# Altium PCB Board.PcbDoc (part 1 of 8) (continued)
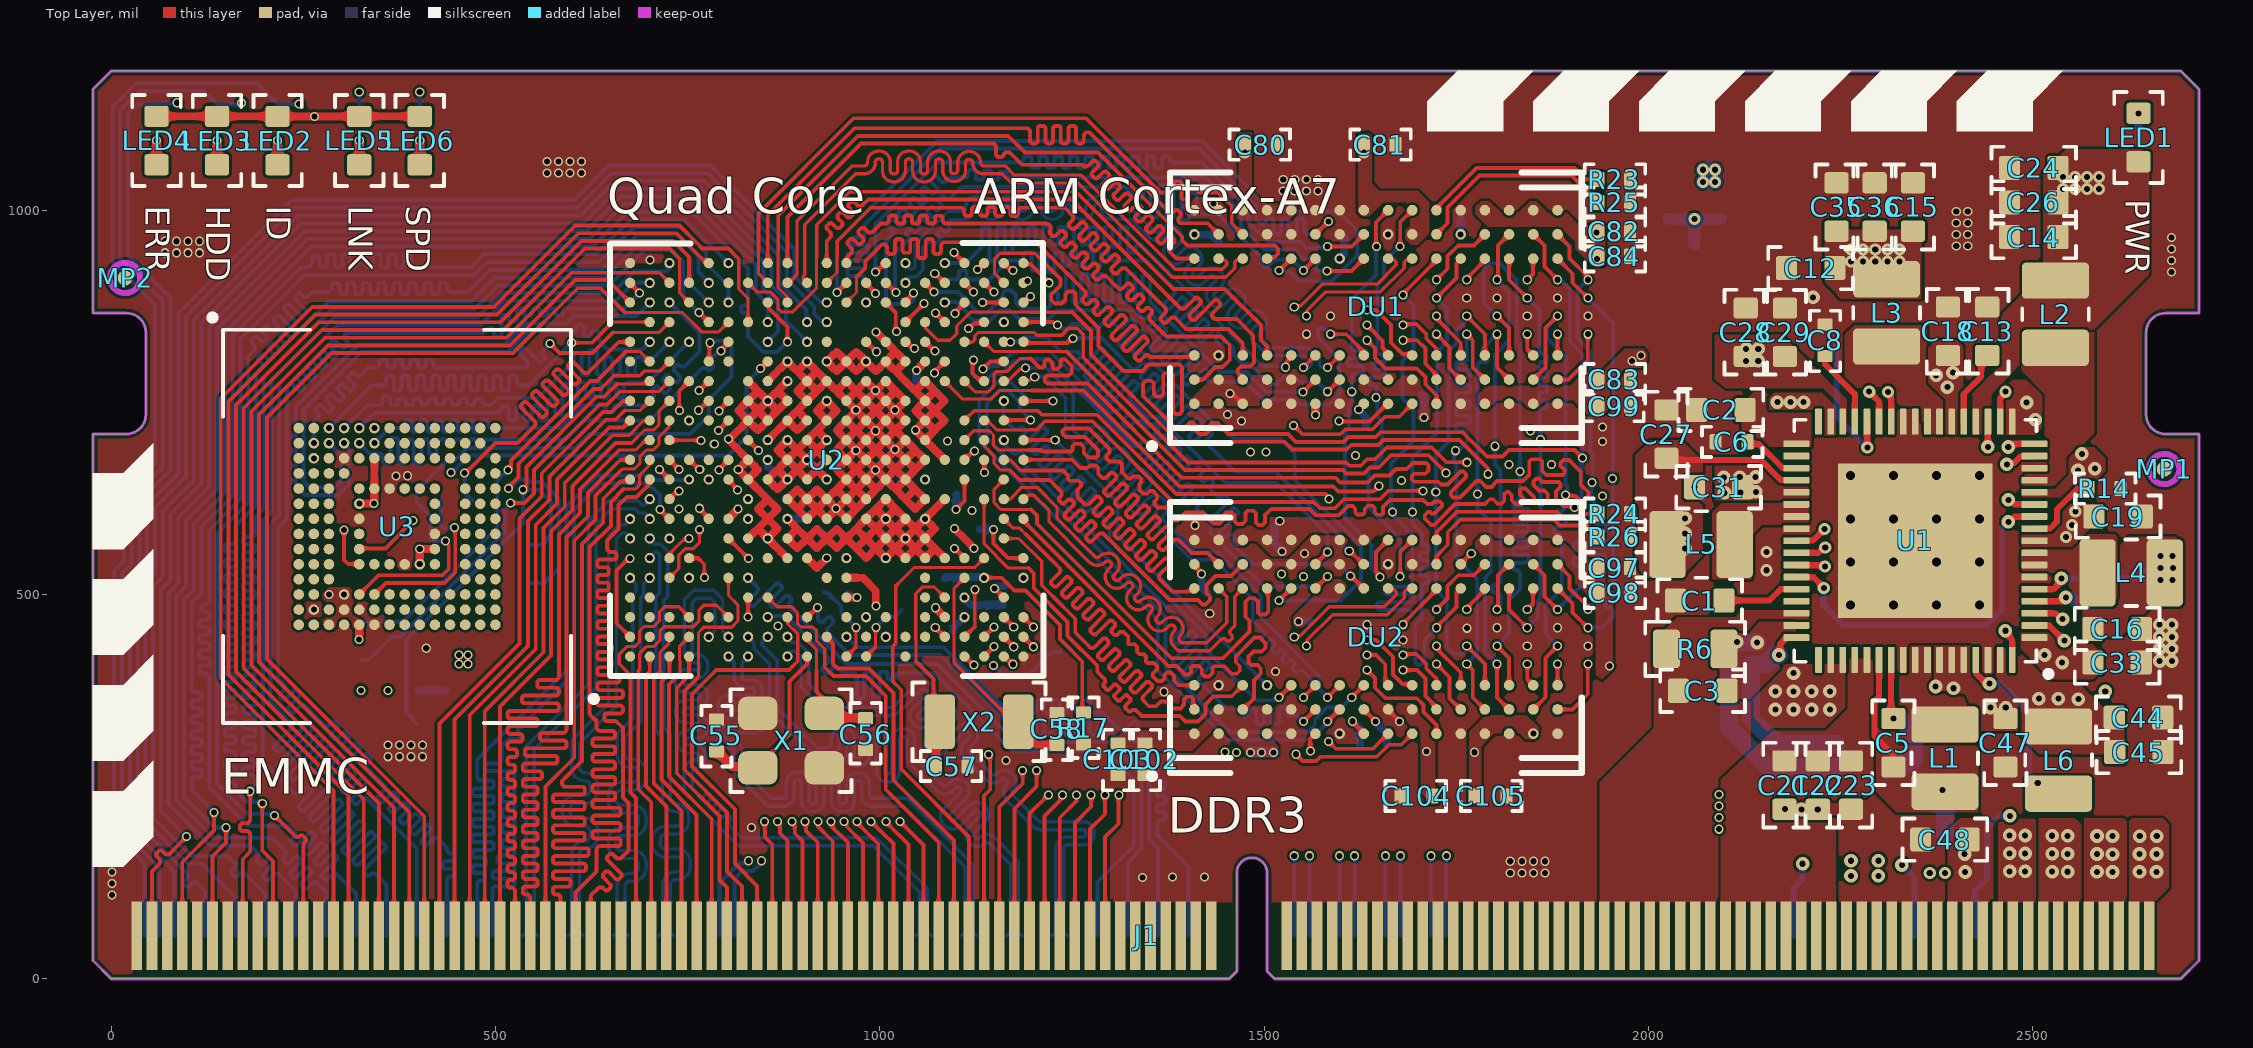
[diagram p0: Top Layer view]
## Components (designator, comment, footprint, x,y, rotation, side; value= is the part's Value field where it differs from the comment) (continued)
L6 "2.2uH" L2520 2533.83,328.29 r270 top
LED1 "LED_RED" LED0603_RED 2637.8,1062.99 r90 top
LED2 "LED_YELLOW" LED0603_YELLOW 216.54,1122.05 r270 top
LED3 "LED_GREEN" LED0603_GREEN 137.8,1122.05 r270 top
LED4 "LED_RED" LED0603_RED 59.05,1122.05 r270 top
LED5 "LED_GREEN" LED0603_GREEN 322.83,1122.05 r270 top
LED6 "LED_YELLOW" LED0603_YELLOW 401.57,1122.05 r270 top
MP1 "Markpoint" MARKPOINT 2671.27,663.15 r90 top
MP2 "Markpoint" MARKPOINT 18.13,911.81 r90 top
MP3 "Markpoint" MARKPOINT 2670.86,662.84 r90 bottom
MP4 "Markpoint" MARKPOINT 93.24,1003.35 r90 bottom
Q1 "WPM1481" WPM1481 2314.96,253.94 r90 bottom
R1 "330R" R0402 2637.8,1106.3 r270 bottom
R2 "10K 1%" R0402 2245,866.34 r270 bottom
R3 "330R" R0402 216.53,1096.46 r90 bottom
R4 "330R" R0402 137.79,1096.46 r90 bottom
R5 "2.2K" R0402 927.55,502.38 r90 bottom
R6 "10mR" R0805 2098.43,429.14 r180 top
R7 "2.2K" R0402 1023.29,478.5 r90 bottom
R8 "330R" R0402 59.05,1096.46 r90 bottom
R9 "51K" R0402 1235,425 r90 bottom
R10 "330R" R0402 322.83,1131.89 r270 bottom
R11 "10mR" R0805 2382.76,193.16 r180 bottom
R12 "330R" R0402 401.57,1131.89 r270 bottom
R13 "2R 1%" R0402 889.11,641.29 r225 bottom
R14 "0R" R0402 2614.17,637.8 r180 top
R15 "47K" R0402 1130,585 r180 bottom
R16 "100K 1%" R0402 1192.18,522.75 r0 bottom
R17 "220K 1%" R0402 1265,346.34 r270 top
R18 "10K 1%" R0402 400,375 r270 bottom
R19 "33R" R0402 470.47,622.05 r180 bottom
R20 "10K 1%" R0402 397.64,622.05 r180 bottom
R21 "0R" R0402 325,375 r270 bottom
R22 "0R" R0402 360,375 r270 bottom
R23 "240R 1%" R0402 1976.34,1040 r180 top
R24 "240R 1%" R0402 1976.34,605 r180 top
R25 "240R 1%" R0402 1976.34,1010 r180 top
R26 "240R 1%" R0402 1976.34,575 r180 top
R27 "240R 1%" R0402 1100.71,671.85 r270 bottom
R28 "2K 1%" R0402 2060,988.66 r90 bottom
R29 "2K 1%" R0402 2025,1030 r270 bottom
R30 "100R" R0402 1511.96,684.28 r180 bottom
U1 "AXP221S" AXP221S 2347.44,569.88 r180 top
U2 "H3_FBGA347" H3_FBGA327 675.2,419.29 r90 top locked
U3 "EMMC_5_0_BGA153" EMMC_BGA153 372.05,588.58 r0 top locked
U4 "W25Q64JVSSIQ" W25Q64JVSSIQ 546.97,565 r180 bottom locked
X1 "24MHz" SMD3225 927.99,345.26 r180 top
X2 "32.768 KHz" FC_135 1180.39,334.42 r180 top

## Footprints (in the part's own frame and the unit in brackets; to place one, negate y for a bottom-side part, rotate by r counter-clockwise, add the part's x,y. Pads: shape width x height; smd on the part's side, far side on the other; paste and mask are expansions set on the pad)
AXP221S [mm]
  rrect25% 0.86x0.22 smd: 1(-3.935,3.2) 2(-3.935,2.8) 3(-3.935,2.4) 4(-3.935,2) 5(-3.935,1.6) 6(-3.935,1.2) 7(-3.935,0.8) 8(-3.935,0.4) 9(-3.935,0) 10(-3.935,-0.4) 11(-3.935,-0.8) 12(-3.935,-1.2) 13(-3.935,-1.6) 14(-3.935,-2) 15(-3.935,-2.4) 16(-3.935,-2.8) 17(-3.935,-3.2) 35(3.935,-3.2) 36(3.935,-2.8) 37(3.935,-2.4) 38(3.935,-2) 39(3.935,-1.6) 40(3.935,-1.2) 41(3.935,-0.8) 42(3.935,-0.4) 43(3.935,0) 44(3.935,0.4) 45(3.935,0.8) 46(3.935,1.2) 47(3.935,1.6) 48(3.935,2) 49(3.935,2.4) 50(3.935,2.8) 51(3.935,3.2)
  rrect25% 0.22x0.86 smd: 18(-3.2,-3.935) 19(-2.8,-3.935) 20(-2.4,-3.935) 21(-2,-3.935) 22(-1.6,-3.935) 23(-1.2,-3.935) 24(-0.8,-3.935) 25(-0.4,-3.935) 26(0,-3.935) 27(0.4,-3.935) 28(0.8,-3.935) 29(1.2,-3.935) 30(1.6,-3.935) 31(2,-3.935) 32(2.4,-3.935) 33(2.8,-3.935) 34(3.2,-3.935) 52(3.2,3.935) 53(2.8,3.935) 54(2.4,3.935) 55(2,3.935) 56(1.6,3.935) 57(1.2,3.935) 58(0.8,3.935) 59(0.4,3.935) 60(0,3.935) 61(-0.4,3.935) 62(-0.8,3.935) 63(-1.2,3.935) 64(-1.6,3.935) 65(-2,3.935) 66(-2.4,3.935) 67(-2.8,3.935) 68(-3.2,3.935)
  rect 5.1x5.1 smd paste-4: 69(0,0)
  silkscreen extent -4.5,-4 4,4.5, body extent -4,-4 4,4, height 0.88
C0402 [mm]
  rrect25% 0.4x0.5 smd: 1(0,0) 2(1.05,0)
  silkscreen extent -0.5,-0.5 1.5,0.5, body extent 0.03,-0.26 1.03,0.26, height 0.53
C0603 [mm]
  rrect25% 0.7x0.8 smd: 1(0,0) 2(1.6,0)
  silkscreen extent -0.6,-0.7 2.2,0.7, body extent 0,-0.41 1.6,0.41, height 0.81
DDR3_FBGA96 [mm]
  round 0.35 smd mask+0.05: A1(0,0) A2(0.8,0) A3(1.6,0) A7(4.8,0) A8(5.6,0) A9(6.4,0) B1(0,-0.8) B2(0.8,-0.8) B3(1.6,-0.8) B7(4.8,-0.8) B8(5.6,-0.8) B9(6.4,-0.8) C1(0,-1.6) C2(0.8,-1.6) C3(1.6,-1.6) C7(4.8,-1.6) C8(5.6,-1.6) C9(6.4,-1.6) D1(0,-2.4) D2(0.8,-2.4) D3(1.6,-2.4) D7(4.8,-2.4) D8(5.6,-2.4) D9(6.4,-2.4) E1(0,-3.2) E2(0.8,-3.2) E3(1.6,-3.2) E7(4.8,-3.2) E8(5.6,-3.2) E9(6.4,-3.2) F1(0,-4) F2(0.8,-4) F3(1.6,-4) F7(4.8,-4) F8(5.6,-4) F9(6.4,-4) G1(0,-4.8) G2(0.8,-4.8) G3(1.6,-4.8) G7(4.8,-4.8) G8(5.6,-4.8) G9(6.4,-4.8) H1(0,-5.6) H2(0.8,-5.6) H3(1.6,-5.6) H7(4.8,-5.6) H8(5.6,-5.6) H9(6.4,-5.6) J1(0,-6.4) J2(0.8,-6.4) J3(1.6,-6.4) J7(4.8,-6.4) J8(5.6,-6.4) J9(6.4,-6.4) K1(0,-7.2) K2(0.8,-7.2) K3(1.6,-7.2) K7(4.8,-7.2) K8(5.6,-7.2) K9(6.4,-7.2) L1(0,-8) L2(0.8,-8) L3(1.6,-8) L7(4.8,-8) L8(5.6,-8) L9(6.4,-8) M1(0,-8.8) M2(0.8,-8.8) M3(1.6,-8.8) M7(4.8,-8.8) M8(5.6,-8.8) M9(6.4,-8.8) N1(0,-9.6) N2(0.8,-9.6) N3(1.6,-9.6) N7(4.8,-9.6) N8(5.6,-9.6) N9(6.4,-9.6) P1(0,-10.4) P2(0.8,-10.4) P3(1.6,-10.4) P7(4.8,-10.4) P8(5.6,-10.4) P9(6.4,-10.4) R1(0,-11.2) R2(0.8,-11.2) R3(1.6,-11.2) R7(4.8,-11.2) R8(5.6,-11.2) R9(6.4,-11.2) T1(0,-12) T2(0.8,-12) T3(1.6,-12) T7(4.8,-12) T8(5.6,-12) T9(6.4,-12)
  silkscreen extent -1.5,-12.8 7.65,1.5, body extent -1.3,-13 7.7,1, height 0.86
DDR4_SODIMM [mm]
  rect 0.35x2.25 smd paste-0.75 mask+0.3: 1(0.474,1.422) 3(0.974,1.422) 5(1.474,1.422) 7(1.974,1.422) 9(2.474,1.422) 11(2.974,1.422) 13(3.474,1.422) 15(3.974,1.422) 17(4.474,1.422) 19(4.974,1.422) 21(5.474,1.422) 23(5.974,1.422) 25(6.474,1.422) 27(6.974,1.422) 29(7.474,1.422) 31(7.974,1.422) 33(8.474,1.422) 35(8.974,1.422) 37(9.474,1.422) 39(9.974,1.422) 41(10.474,1.422) 43(10.974,1.422) 45(11.474,1.422) 47(11.974,1.422) 49(12.474,1.422) 51(12.974,1.422) 53(13.474,1.422) 55(13.974,1.422) 57(14.474,1.422) 59(14.974,1.422) 61(15.474,1.422) 63(15.974,1.422) 65(16.474,1.422) 67(16.974,1.422) 69(17.474,1.422) 71(17.974,1.422) 73(18.474,1.422) 75(18.974,1.422) 77(19.474,1.422) 79(19.974,1.422) 81(20.474,1.422) 83(20.974,1.422) 85(21.474,1.422) 87(21.974,1.422) 89(22.474,1.422) 91(22.974,1.422) 93(23.474,1.422) 95(23.974,1.422) 97(24.474,1.422) 99(24.974,1.422) 101(25.474,1.422) 103(25.974,1.422) 105(26.474,1.422) 107(26.974,1.422) 109(27.474,1.422) 111(27.974,1.422) 113(28.474,1.422) 115(28.974,1.422) 117(29.474,1.422) 119(29.974,1.422) 121(30.474,1.422) 123(30.974,1.422) 125(31.474,1.422) 127(31.974,1.422) 129(32.474,1.422) 131(32.974,1.422) 133(33.474,1.422) 135(33.974,1.422) 137(34.474,1.422) 139(34.974,1.422) 141(35.474,1.422) 143(35.974,1.422) 145(38.474,1.422) 147(38.974,1.422) 149(39.474,1.422) 151(39.974,1.422) 153(40.474,1.422) 155(40.974,1.422) 157(41.474,1.422) 159(41.974,1.422) 161(42.474,1.422) 163(42.974,1.422) 165(43.474,1.422) 167(43.974,1.422) 169(44.474,1.422) 171(44.974,1.422) 173(45.474,1.422) 175(45.974,1.422) 177(46.474,1.422) 179(46.974,1.422) 181(47.474,1.422) 183(47.974,1.422) 185(48.474,1.422) 187(48.974,1.422) 189(49.474,1.422) 191(49.974,1.422) 193(50.474,1.422) 195(50.974,1.422) 197(51.474,1.422) 199(51.974,1.422) 201(52.474,1.422) 203(52.974,1.422) 205(53.474,1.422) 207(53.974,1.422) 209(54.474,1.422) 211(54.974,1.422) 213(55.474,1.422) 215(55.974,1.422) 217(56.474,1.422) 219(56.974,1.422) 221(57.474,1.422) 223(57.974,1.422) 225(58.474,1.422) 227(58.974,1.422) 229(59.474,1.422) 231(59.974,1.422) 233(60.474,1.422) 235(60.974,1.422) 237(61.474,1.422) 239(61.974,1.422) 241(62.474,1.422) 243(62.974,1.422) 245(63.474,1.422) 247(63.974,1.422) 249(64.474,1.422) 251(64.974,1.422) 253(65.474,1.422) 255(65.974,1.422) 257(66.474,1.422) 259(66.974,1.422)
  rect 0.35x2.25 smd far side paste-0.75 mask+0.3: 2(0.724,1.422) 4(1.224,1.422) 6(1.724,1.422) 8(2.224,1.422) 10(2.724,1.422) 12(3.224,1.422) 14(3.724,1.422) 16(4.224,1.422) 18(4.724,1.422) 20(5.224,1.422) 22(5.724,1.422) 24(6.224,1.422) 26(6.724,1.422) 28(7.224,1.422) 30(7.724,1.422) 32(8.224,1.422) 34(8.724,1.422) 36(9.224,1.422) 38(9.724,1.422) 40(10.224,1.422) 42(10.724,1.422) 44(11.224,1.422) 46(11.724,1.422) 48(12.224,1.422) 50(12.724,1.422) 52(13.224,1.422) 54(13.724,1.422) 56(14.224,1.422) 58(14.724,1.422) 60(15.224,1.422) 62(15.724,1.422) 64(16.224,1.422) 66(16.724,1.422) 68(17.224,1.422) 70(17.724,1.422) 72(18.224,1.422) 74(18.724,1.422) 76(19.224,1.422) 78(19.724,1.422) 80(20.224,1.422) 82(20.724,1.422) 84(21.224,1.422) 86(21.724,1.422) 88(22.224,1.422) 90(22.724,1.422) 92(23.224,1.422) 94(23.724,1.422) 96(24.224,1.422) 98(24.724,1.422) 100(25.224,1.422) 102(25.724,1.422) 104(26.224,1.422) 106(26.724,1.422) 108(27.224,1.422) 110(27.724,1.422) 112(28.224,1.422) 114(28.724,1.422) 116(29.224,1.422) 118(29.724,1.422) 120(30.224,1.422) 122(30.724,1.422) 124(31.224,1.422) 126(31.724,1.422) 128(32.224,1.422) 130(32.724,1.422) 132(33.224,1.422) 134(33.724,1.422) 136(34.224,1.422) 138(34.724,1.422) 140(35.224,1.422) 142(35.724,1.422) 144(36.224,1.422) 146(38.724,1.422) 148(39.224,1.422) 150(39.724,1.422) 152(40.224,1.422) 154(40.724,1.422) 156(41.224,1.422) 158(41.724,1.422) 160(42.224,1.422) 162(42.724,1.422) 164(43.224,1.422) 166(43.724,1.422) 168(44.224,1.422) 170(44.724,1.422) 172(45.224,1.422) 174(45.724,1.422) 176(46.224,1.422) 178(46.724,1.422) 180(47.224,1.422) 182(47.724,1.422) 184(48.224,1.422) 186(48.724,1.422) 188(49.224,1.422) 190(49.724,1.422) 192(50.224,1.422) 194(50.724,1.422) 196(51.224,1.422) 198(51.724,1.422) 200(52.224,1.422) 202(52.724,1.422) 204(53.224,1.422) 206(53.724,1.422) 208(54.224,1.422) 210(54.724,1.422) 212(55.224,1.422) 214(55.724,1.422) 216(56.224,1.422) 218(56.724,1.422) 220(57.224,1.422) 222(57.724,1.422) 224(58.224,1.422) 226(58.724,1.422) 228(59.224,1.422) 230(59.724,1.422) 232(60.224,1.422) 234(60.724,1.422) 236(61.224,1.422) 238(61.724,1.422) 240(62.224,1.422) 242(62.724,1.422) 244(63.224,1.422) 246(63.724,1.422) 248(64.224,1.422) 250(64.724,1.422) 252(65.224,1.422) 254(65.724,1.422) 256(66.224,1.422) 258(66.724,1.422) 260(67.224,1.422)
EMMC_BGA153 [mm]
  round 0.35 smd mask+0.025: A1(-3.25,3.25) A2(-2.75,3.25) A3(-2.25,3.25) A4(-1.75,3.25) A5(-1.25,3.25) A6(-0.75,3.25) A7(-0.25,3.25) A8(0.25,3.25) A9(0.75,3.25) A10(1.25,3.25) A11(1.75,3.25) A12(2.25,3.25) A13(2.75,3.25) A14(3.25,3.25) B1(-3.25,2.75) B2(-2.75,2.75) B3(-2.25,2.75) B4(-1.75,2.75) B5(-1.25,2.75) B6(-0.75,2.75) B7(-0.25,2.75) B8(0.25,2.75) B9(0.75,2.75) B10(1.25,2.75) B11(1.75,2.75) B12(2.25,2.75) B13(2.75,2.75) C1(-3.25,2.25) C2(-2.75,2.25) C3(-2.25,2.25) C4(-1.75,2.25) C5(-1.25,2.25) C6(-0.75,2.25) C7(-0.25,2.25) C8(0.25,2.25) C9(0.75,2.25) C10(1.25,2.25) C11(1.75,2.25) C12(2.25,2.25) C14(3.25,2.25) D1(-3.25,1.75) D2(-2.75,1.75) D3(-2.25,1.75) D4(-1.75,1.75) D13(2.75,1.75) D14(3.25,1.75) E1(-3.25,1.25) E2(-2.75,1.25) E3(-2.25,1.25) E5(-1.25,1.25) E6(-0.75,1.25) E7(-0.25,1.25) E8(0.25,1.25) E9(0.75,1.25) E10(1.25,1.25) E12(2.25,1.25) E13(2.75,1.25) E14(3.25,1.25) F1(-3.25,0.75) F2(-2.75,0.75) F3(-2.25,0.75) F5(-1.25,0.75) F10(1.25,0.75) F12(2.25,0.75) F13(2.75,0.75) F14(3.25,0.75) G1(-3.25,0.25) G2(-2.75,0.25) G3(-2.25,0.25) G5(-1.25,0.25) G10(1.25,0.25) G12(2.25,0.25) G13(2.75,0.25) G14(3.25,0.25) H1(-3.25,-0.25) H2(-2.75,-0.25) H3(-2.25,-0.25) H5(-1.25,-0.25) H10(1.25,-0.25) H12(2.25,-0.25) H13(2.75,-0.25) H14(3.25,-0.25) J1(-3.25,-0.75) J2(-2.75,-0.75) J3(-2.25,-0.75) J5(-1.25,-0.75) J10(1.25,-0.75) J12(2.25,-0.75) J13(2.75,-0.75) J14(3.25,-0.75) K1(-3.25,-1.25) K2(-2.75,-1.25) K3(-2.25,-1.25) K5(-1.25,-1.25) K6(-0.75,-1.25) K7(-0.25,-1.25) K8(0.25,-1.25) K9(0.75,-1.25) K10(1.25,-1.25) K12(2.25,-1.25) K13(2.75,-1.25) K14(3.25,-1.25) L1(-3.25,-1.75) L2(-2.75,-1.75) L3(-2.25,-1.75) L12(2.25,-1.75) L13(2.75,-1.75) L14(3.25,-1.75) M1(-3.25,-2.25) M2(-2.75,-2.25) M4(-1.75,-2.25) M5(-1.25,-2.25) M6(-0.75,-2.25) M7(-0.25,-2.25) M8(0.25,-2.25) M9(0.75,-2.25) M10(1.25,-2.25) M11(1.75,-2.25) M12(2.25,-2.25) M13(2.75,-2.25) M14(3.25,-2.25) N1(-3.25,-2.75) N2(-2.75,-2.75) N3(-2.25,-2.75) N4(-1.75,-2.75) N5(-1.25,-2.75) N6(-0.75,-2.75) N7(-0.25,-2.75) N8(0.25,-2.75) N9(0.75,-2.75) N10(1.25,-2.75) N11(1.75,-2.75) N12(2.25,-2.75) N13(2.75,-2.75) N14(3.25,-2.75) P1(-3.25,-3.25) P2(-2.75,-3.25) P3(-2.25,-3.25) P4(-1.75,-3.25) P5(-1.25,-3.25) P6(-0.75,-3.25) P7(-0.25,-3.25) P8(0.25,-3.25) P9(0.75,-3.25) P10(1.25,-3.25) P11(1.75,-3.25) P12(2.25,-3.25) P13(2.75,-3.25) P14(3.25,-3.25)
  round 0.35 on Mech16 mask+0.025: B14(3.25,2.75) C13(2.75,2.25) D12(2.25,1.75) M3(-2.25,-2.25)
  silkscreen extent -6.2,-6.5 5.75,7, body extent -5.75,-6.5 5.75,6.5, height 1
FC_135 [mm]
  rrect25% 1x1.8 smd: 1(0,0) 2(2.6,0)
  silkscreen extent -0.9,-1.3 3.5,1.3, body extent -0.3,-0.75 2.9,0.75, height 0.61
H3_FBGA327 [mm]
  round 0.34 smd mask+0.05: A1(0,0) A2(0.65,0) A3(1.3,0) A4(1.95,0) A5(2.6,0) A7(3.9,0) A8(4.55,0) A10(5.85,0) A11(6.5,0) A13(7.8,0) A14(8.45,0) A16(9.75,0) A17(10.4,0) A19(11.7,0) A20(12.35,0) A21(13,0) AA1(0,-13) AA2(0.65,-13) AA3(1.3,-13) AA5(2.6,-13) AA6(3.25,-13) AA8(4.55,-13) AA9(5.2,-13) AA11(6.5,-13) AA12(7.15,-13) AA14(8.45,-13) AA15(9.1,-13) AA17(10.4,-13) AA18(11.05,-13) AA19(11.7,-13) AA20(12.35,-13) AA21(13,-13) B1(0,-0.65) B2(0.65,-0.65) B3(1.3,-0.65) B4(1.95,-0.65) B5(2.6,-0.65) B6(3.25,-0.65) B7(3.9,-0.65) B8(4.55,-0.65) B9(5.2,-0.65) B10(5.85,-0.65) B11(6.5,-0.65) B12(7.15,-0.65) B13(7.8,-0.65) B14(8.45,-0.65) B15(9.1,-0.65) B16(9.75,-0.65) B17(10.4,-0.65) B18(11.05,-0.65) B19(11.7,-0.65) B20(12.35,-0.65) C1(0,-1.3) C2(0.65,-1.3) C3(1.3,-1.3) C5(2.6,-1.3) C6(3.25,-1.3) C7(3.9,-1.3) C8(4.55,-1.3) C9(5.2,-1.3) C10(5.85,-1.3) C11(6.5,-1.3) C12(7.15,-1.3) C13(7.8,-1.3) C14(8.45,-1.3) C15(9.1,-1.3) C16(9.75,-1.3) C17(10.4,-1.3) C18(11.05,-1.3) C19(11.7,-1.3) C20(12.35,-1.3) C21(13,-1.3) D1(0,-1.95) D2(0.65,-1.95) D3(1.3,-1.95) D5(2.6,-1.95) D6(3.25,-1.95) D8(4.55,-1.95) D10(5.85,-1.95) D11(6.5,-1.95) D13(7.8,-1.95) D15(9.1,-1.95) D17(10.4,-1.95) D19(11.7,-1.95) D20(12.35,-1.95) E2(0.65,-2.6) E3(1.3,-2.6) E8(4.55,-2.6) E10(5.85,-2.6) E11(6.5,-2.6) E13(7.8,-2.6) E14(8.45,-2.6) E15(9.1,-2.6) E16(9.75,-2.6) E18(11.05,-2.6) E19(11.7,-2.6) E20(12.35,-2.6) E21(13,-2.6) F1(0,-3.25) F2(0.65,-3.25) F3(1.3,-3.25) F5(2.6,-3.25) F6(3.25,-3.25) F7(3.9,-3.25) F8(4.55,-3.25) F10(5.85,-3.25) F11(6.5,-3.25) F13(7.8,-3.25) F14(8.45,-3.25) F16(9.75,-3.25) F17(10.4,-3.25) F18(11.05,-3.25) F19(11.7,-3.25) F20(12.35,-3.25) F21(13,-3.25) G1(0,-3.9) G2(0.65,-3.9) G4(1.95,-3.9) G5(2.6,-3.9) G7(3.9,-3.9) G8(4.55,-3.9) G9(5.2,-3.9) G10(5.85,-3.9) G11(6.5,-3.9) G12(7.15,-3.9) G13(7.8,-3.9) G14(8.45,-3.9) G15(9.1,-3.9) G18(11.05,-3.9) G20(12.35,-3.9) H2(0.65,-4.55) H3(1.3,-4.55) H4(1.95,-4.55) H6(3.25,-4.55) H7(3.9,-4.55) H10(5.85,-4.55) H11(6.5,-4.55) H12(7.15,-4.55) H13(7.8,-4.55) H14(8.45,-4.55) H15(9.1,-4.55) H16(9.75,-4.55) H17(10.4,-4.55) H18(11.05,-4.55) H19(11.7,-4.55) H20(12.35,-4.55) H21(13,-4.55) J1(0,-5.2) J2(0.65,-5.2) J3(1.3,-5.2) J6(3.25,-5.2) J7(3.9,-5.2) J8(4.55,-5.2) J9(5.2,-5.2) J10(5.85,-5.2) J11(6.5,-5.2) J12(7.15,-5.2) J13(7.8,-5.2) J14(8.45,-5.2) J15(9.1,-5.2) J16(9.75,-5.2) J19(11.7,-5.2) J20(12.35,-5.2) J21(13,-5.2) K1(0,-5.85) K2(0.65,-5.85) K3(1.3,-5.85) K4(1.95,-5.85) K6(3.25,-5.85) K8(4.55,-5.85) K9(5.2,-5.85) K10(5.85,-5.85) K11(6.5,-5.85) K12(7.15,-5.85) K13(7.8,-5.85) K14(8.45,-5.85) K15(9.1,-5.85) K16(9.75,-5.85) K17(10.4,-5.85) K18(11.05,-5.85) K20(12.35,-5.85) L2(0.65,-6.5) L5(2.6,-6.5) L8(4.55,-6.5) L9(5.2,-6.5) L10(5.85,-6.5) L11(6.5,-6.5) L12(7.15,-6.5) L13(7.8,-6.5) L14(8.45,-6.5) L15(9.1,-6.5) L16(9.75,-6.5) L17(10.4,-6.5) L18(11.05,-6.5) L19(11.7,-6.5) L20(12.35,-6.5) L21(13,-6.5) M1(0,-7.15) M2(0.65,-7.15) M3(1.3,-7.15) M4(1.95,-7.15) M5(2.6,-7.15) M6(3.25,-7.15) M8(4.55,-7.15) M9(5.2,-7.15) M10(5.85,-7.15) M11(6.5,-7.15) M12(7.15,-7.15) M13(7.8,-7.15) M14(8.45,-7.15) M15(9.1,-7.15) M16(9.75,-7.15) M19(11.7,-7.15) M20(12.35,-7.15) M21(13,-7.15) N1(0,-7.8) N2(0.65,-7.8) N3(1.3,-7.8) N8(4.55,-7.8) N9(5.2,-7.8) N10(5.85,-7.8) N11(6.5,-7.8) N12(7.15,-7.8) N13(7.8,-7.8) N14(8.45,-7.8) N15(9.1,-7.8) N16(9.75,-7.8) N17(10.4,-7.8) N19(11.7,-7.8) N20(12.35,-7.8) P2(0.65,-8.45) P3(1.3,-8.45) P6(3.25,-8.45) P7(3.9,-8.45) P8(4.55,-8.45) P9(5.2,-8.45) P10(5.85,-8.45) P11(6.5,-8.45) P12(7.15,-8.45) P13(7.8,-8.45) P14(8.45,-8.45) P15(9.1,-8.45) P16(9.75,-8.45) P17(10.4,-8.45) P19(11.7,-8.45) P20(12.35,-8.45) P21(13,-8.45) R1(0,-9.1) R2(0.65,-9.1) R6(3.25,-9.1) R7(3.9,-9.1) R8(4.55,-9.1) R10(5.85,-9.1) R11(6.5,-9.1) R12(7.15,-9.1) R13(7.8,-9.1) R14(8.45,-9.1) R16(9.75,-9.1) R17(10.4,-9.1) R18(11.05,-9.1) R19(11.7,-9.1) R20(12.35,-9.1) R21(13,-9.1) T2(0.65,-9.75) T3(1.3,-9.75) T4(1.95,-9.75) T5(2.6,-9.75) T6(3.25,-9.75) T7(3.9,-9.75) T8(4.55,-9.75) T9(5.2,-9.75) T10(5.85,-9.75) T11(6.5,-9.75) T12(7.15,-9.75) T13(7.8,-9.75) T14(8.45,-9.75) T15(9.1,-9.75) T16(9.75,-9.75) T17(10.4,-9.75) T18(11.05,-9.75) T20(12.35,-9.75) U2(0.65,-10.4) U3(1.3,-10.4) U4(1.95,-10.4) U6(3.25,-10.4) U9(5.2,-10.4) U11(6.5,-10.4) U15(9.1,-10.4) U16(9.75,-10.4) U18(11.05,-10.4) U19(11.7,-10.4) U20(12.35,-10.4) U21(13,-10.4) V1(0,-11.05) V2(0.65,-11.05) V3(1.3,-11.05) V4(1.95,-11.05) V5(2.6,-11.05) V6(3.25,-11.05) V10(5.85,-11.05) V11(6.5,-11.05) V12(7.15,-11.05) V13(7.8,-11.05) V15(9.1,-11.05) V17(10.4,-11.05) V19(11.7,-11.05) V20(12.35,-11.05) V21(13,-11.05) W1(0,-11.7) W2(0.65,-11.7) W3(1.3,-11.7) W5(2.6,-11.7) W6(3.25,-11.7) W9(5.2,-11.7) W11(6.5,-11.7) W12(7.15,-11.7) W13(7.8,-11.7) W15(9.1,-11.7) W17(10.4,-11.7) W18(11.05,-11.7) W20(12.35,-11.7) W21(13,-11.7) Y1(0,-12.35) Y2(0.65,-12.35) Y3(1.3,-12.35) Y4(1.95,-12.35) Y7(3.9,-12.35) Y8(4.55,-12.35) Y9(5.2,-12.35) Y10(5.85,-12.35) Y11(6.5,-12.35) Y12(7.15,-12.35) Y13(7.8,-12.35) Y14(8.45,-12.35) Y15(9.1,-12.35) Y16(9.75,-12.35) Y17(10.4,-12.35) Y18(11.05,-12.35) Y19(11.7,-12.35) Y20(12.35,-12.35) Y21(13,-12.35)
  round 0.34 on Mech16 mask+0.05: B21(13,-0.65) H8(4.55,-4.55) K7(3.9,-5.85) M7(3.9,-7.15) N7(3.9,-7.8) R9(5.2,-9.1)
  silkscreen extent -1.5,-13.67 13.67,1.3, body extent -0.5,-13.5 13.5,0.5, height 0.9
L2520 [mm]
  rrect25% 1.2x2.22 smd: 1(0,0) 2(2.22,0)
  silkscreen extent 0.92,-1.1 1.3,1.1, body extent -0.14,-1 2.36,1, height 1
LED0603_GREEN [mm]
  rrect25% 0.7x0.8 smd: 1(0,0) 2(1.6,0)
  silkscreen extent -0.7,-0.8 2.3,0.8, body extent 0.02,-0.38 1.63,0.43, height 0.61
LED0603_RED [mm]
  rrect25% 0.7x0.8 smd: 1(0,0) 2(1.6,0)
  silkscreen extent -0.7,-0.8 2.3,0.8, body extent 0.02,-0.38 1.63,0.43, height 0.61
LED0603_YELLOW [mm]
  rrect25% 0.7x0.8 smd: 1(0,0) 2(1.6,0)
  silkscreen extent -0.7,-0.8 2.3,0.8, body extent 0.02,-0.38 1.62,0.43, height 0.61
MARKPOINT [mm]
  round 0.5 smd: ""(0,0)
  Top Layer keep-out circle w0.2: c0,0 r0.5
R0402 [mm]
  rrect25% 0.4x0.5 smd: 1(0,0) 2(1.05,0)
  silkscreen extent -0.5,-0.5 1.5,0.5, body extent 0,-0.25 1,0.25, height 0.3
R0805 [mil]
  rrect25% 35x50 smd: 1(0,0) 2(74.8,0)
  silkscreen extent -28,-35 102,35, body extent -2,-25 77,25, height 20
SMD3225 [mm]
  rrect50% 1.3x1.1 smd: 1(0,0) 2(2.2,1.8) 3(0,1.8) 3(2.2,0)
  silkscreen extent -0.9,-0.8 3.1,2.6, body extent -0.5,-0.35 2.7,2.15, height 0.7
W25Q64JVSSIQ [mm]
  rrect25% 1x0.58 smd: 1(0,0) 2(0,-1.27) 3(0,-2.54) 4(0,-3.81) 5(5.6,-3.81) 6(5.6,-2.54) 7(5.6,-1.27) 8(5.6,0)
  silkscreen extent -0.6,-4.59 5.79,1.2, body extent -0.2,-4.4 5.8,0.61, height 0.8
WPM1481 [mm]
  rrect25% 0.35x0.6 smd: 1(0,-1.8) 2(0.65,-1.8) 3(1.3,-1.8) 4(1.3,0) 5(0.65,0) 6(0,0)
  rrect25% 0.35x0.56 smd: 7(1.3,-0.9)
  rrect25% 0.9x0.8 smd: 8(0.25,-0.9)
  silkscreen extent -0.82,-1.9 -0.63,-1.7, body extent -0.38,-1.83 1.73,0, height 0.6

## Part data
C1 C2 C3 C5 C25 C35 C36 C40 C41 C59 C63 C66 C79 C80 C91 C92 C98 C99 C111: library part C_1UF
C4 C7 C9 C10 C11 C13 C15 C17 C18 C19 C23 C24 C27 C28 C31 C32 C33 C34 C39 C44 C46 C47 C61 C78 C90 C97: library part C_10UF
C6 C8 C20 C48 C49 C50 C51 C53 C54 C64: library part C_4.7UF
C12 C14 C16 C30 C45: library part C_1NF
C21 C22: library part C_22UF
C26 C29 C37 C38 C42 C43 C52 C60 C62 C65 C67 C68 C69 C70 C71 C72 C73 C74 C75 C76 C77 C81 C82 C83 C84 C85 C86 C87 C88 C89 C93 C94 C95 C96 C100 C101 C102 C103 C104 C105 C106 C107 C108 C109 C110: library part C_0.1UF
C55 C56: library part C_5PF
C57 C58: library part C_15PF
L1: library part L_1.5UH
L2 L3 L4 L5 L6: library part L_2.2UH
MP1 MP2 MP3 MP4: library part MARKPOINT
R1 R3 R4 R8 R10 R12: library part R_330R
R2 R18 R20: library part R_10K_P1
R5 R7: library part R_2.2K
R6 R11: library part R_10mR
R9: library part R_51K
R13: library part R_2R_P1
R14 R21 R22: library part R_0R
R15: library part R_47K
R16: library part R_100K_P1
R17: library part R_220K_P1
R19: library part R_33R
R23 R24 R25 R26 R27: library part R_240R_P1
R28 R29: library part R_2K_P1
R30: library part R_100R
X1: library part X_24MHZ
X2: library part X_32768HZ

## Via types
v1: diameter 11.81, hole 7.87, Top Layer to Bottom Layer, tented both sides, 510 vias
v2: diameter 17.72, hole 7.87, Top Layer to Bottom Layer, tented both sides, 112 vias
v3: diameter 15.75, hole 7.87, Top Layer to Bottom Layer, tented both sides, 43 vias
v4: diameter 31.5, hole 11.81, Top Layer to Bottom Layer, 16 vias

## Nets (pads, with @x,y where several pads share a name; then routed paths per layer and width w, separated by ;. In a path a pad name is that pad's centre, name@x,y a point inside that pad or via, vN(x,y) a via of type N, cw(c..) or ccw(c..) an arc to the next point about the centre after c; other vN are vias at no path point)
CSI_D0: J1.105 U2.C9 | length 1077.2
  Top Layer w5: U2.C9@726.38,624.02 736.78,634.42 v1(738.6,634.42) ; v1(1026.57,204.45) 1057.09,173.93 J1.105@1057.09,55.98
  Int2 (Sign) w5: v1(738.6,634.42) 737.49,633.3 717.09,633.3 708.66,641.73 677.74,641.73 661.79,625.78 661.79,559.15 661.79,552.75 661.48,552.44 661.48,546.67 cw(c656.48,546.67) 656.48,541.67 649.17,541.67 ccw(c649.17,538.17) 645.67,538.17 645.67,535.17 ccw(c649.17,535.17) 649.17,531.67 658.29,531.67 cw(c658.29,528.17) 661.79,528.17 661.79,525.17 cw(c658.29,525.17) 658.29,521.67 649.17,521.67 ccw(c649.17,518.17) 645.67,518.17 645.67,515.17 ccw(c649.17,515.17) 649.17,511.67 656.79,511.67 cw(c656.79,506.67) 661.79,506.67 661.79,504.17 661.79,476 672.91,464.88 672.91,388.78 750.67,311.02 999.5,311.02 1026.57,283.96 1026.57,274.26 1026.57,265.1 ccw(c1031.57,265.1) 1031.57,260.1 1037.03,260.1 cw(c1037.03,256.6) 1040.53,256.6 1040.53,253.6 cw(c1037.03,253.6) 1037.03,250.1 1029.86,250.1 ccw(c1029.86,246.6) 1026.36,246.6 1026.36,243.6 ccw(c1029.86,243.6) 1029.86,240.1 1037.03,240.1 cw(c1037.03,236.6) 1040.53,236.6 1040.53,233.6 cw(c1037.03,233.6) 1037.03,230.1 1031.57,230.1 ccw(c1031.57,225.1) 1026.57,225.1 1026.57,212.6 v1(1026.57,204.45)
CSI_D1: J1.125 U2.E10 | length 1080.3
  Top Layer w5: J1.125@1253.94,55.98 1253.94,202.75 1275,223.82 v1(1275,238.93) v1@1275,239.53
  Int2 (Sign) w5: v1(777.56,649.61) 779.08,648.09 779.08,604.42 788.92,594.57 788.92,589.51 797.56,580.88 797.56,514.62 744.09,461.15 744.09,416.6 779.67,381.02 1028.5,381.02 1044.78,364.74 1182.34,364.74 1275,272.08 v1(1275,238.93) v1@1274.52,239.41
CSI_D2: J1.46 U2.D10 | length 1073.7
  Bottom Layer w5: J1.46@476.38,55.98 476.38,110.24 476.38,122.74 cw(c481.38,122.74) 481.38,127.74 482.56,127.74 ccw(c482.56,131.24) 486.06,131.24 486.06,134.24 ccw(c482.56,134.24) 482.56,137.74 473.7,137.74 cw(c473.7,141.24) 470.2,141.24 470.2,144.24 cw(c473.7,144.24) 473.7,147.74 484.57,147.74 ccw(c484.57,151.24) 488.07,151.24 488.07,154.24 ccw(c484.57,154.24) 484.57,157.74 473.7,157.74 cw(c473.7,161.24) 470.2,161.24 470.2,164.24 cw(c473.7,164.24) 473.7,167.74 494.37,167.74 ccw(c494.37,171.24) 497.87,171.24 497.87,174.24 ccw(c494.37,174.24) 494.37,177.74 473.7,177.74 cw(c473.7,181.24) 470.2,181.24 470.2,184.24 cw(c473.7,184.24) 473.7,187.74 494.37,187.74 ccw(c494.37,191.24) 497.87,191.24 497.87,194.24 ccw(c494.37,194.24) 494.37,197.74 473.7,197.74 cw(c473.7,201.24) 470.2,201.24 470.2,204.24 cw(c473.7,204.24) 473.7,207.74 494.37,207.74 ccw(c494.37,211.24) 497.87,211.24 497.87,214.24 ccw(c494.37,214.24) 494.37,217.74 473.7,217.74 cw(c473.7,221.24) 470.2,221.24 470.2,224.24 cw(c473.7,224.24) 473.7,227.74 494.37,227.74 ccw(c494.37,231.24) 497.87,231.24 497.87,234.24 ccw(c494.37,234.24) 494.37,237.74 473.7,237.74 cw(c473.7,241.24) 470.2,241.24 470.2,244.24 cw(c473.7,244.24) 473.7,247.74 494.37,247.74 ccw(c494.37,251.24) 497.87,251.24 497.87,254.24 ccw(c494.37,254.24) 494.37,257.74 481.38,257.74 cw(c481.38,262.74) 476.38,262.74 476.38,285.16 478.96,287.74 592.3,401.08 592.3,614.6 632.41,654.71 702.38,654.71 708.02,649.06 v1@751.97,649.06
  other v1: 751.97,649.61
CSI_D3: J1.48 U2.C8 | length 1082.2
  Top Layer w5: v1(714.07,610.26) 714.3,610.26 726.14,598.43 U2.C8@726.38,598.42
  Bottom Layer w5: J1.48@496.06,55.98 496.06,102.71 496.06,115.21 cw(c501.06,115.21) 501.06,120.21 521.44,120.21 ccw(c521.44,123.71) 524.94,123.71 524.94,126.71 ccw(c521.44,126.71) 521.44,130.21 499.56,130.21 cw(c499.56,133.71) 496.06,133.71 496.06,136.71 cw(c499.56,136.71) 499.56,140.21 521.44,140.21 ccw(c521.44,143.71) 524.94,143.71 524.94,146.71 ccw(c521.44,146.71) 521.44,150.21 505.91,150.21 cw(c505.91,153.71) 502.41,153.71 502.41,156.71 cw(c505.91,156.71) 505.91,160.21 521.44,160.21 ccw(c521.44,163.71) 524.94,163.71 524.94,166.71 ccw(c521.44,166.71) 521.44,170.21 511.37,170.21 cw(c511.37,173.71) 507.87,173.71 507.87,176.71 cw(c511.37,176.71) 511.37,180.21 521.44,180.21 ccw(c521.44,183.71) 524.94,183.71 524.94,186.71 ccw(c521.44,186.71) 521.44,190.21 511.37,190.21 cw(c511.37,193.71) 507.87,193.71 507.87,196.71 cw(c511.37,196.71) 511.37,200.21 521.44,200.21 ccw(c521.44,203.71) 524.94,203.71 524.94,206.71 ccw(c521.44,206.71) 521.44,210.21 511.37,210.21 cw(c511.37,213.71) 507.87,213.71 507.87,216.71 cw(c511.37,216.71) 511.37,220.21 521.44,220.21 ccw(c521.44,223.71) 524.94,223.71 524.94,226.71 ccw(c521.44,226.71) 521.44,230.21 511.37,230.21 cw(c511.37,233.71) 507.87,233.71 507.87,236.71 cw(c511.37,236.71) 511.37,240.21 521.44,240.21 ccw(c521.44,243.71) 524.94,243.71 524.94,246.71 ccw(c521.44,246.71) 521.44,250.21 511.37,250.21 cw(c511.37,253.71) 507.87,253.71 507.87,256.71 cw(c511.37,256.71) 511.37,260.21 521.44,260.21 ccw(c521.44,263.71) 524.94,263.71 524.94,266.71 ccw(c521.44,266.71) 521.44,270.21 489.88,270.21 cw(c489.88,273.71) 486.38,273.71 486.38,276.71 cw(c489.88,276.71) 489.88,280.21 502.87,280.21 ccw(c502.87,285.21) 507.87,285.21 507.87,302.51 516.71,311.35 cw(c520.25,307.82) 523.78,311.35 ccw(c526.26,313.83) 528.73,311.35 530.86,313.47 ccw(c528.38,315.95) 530.86,318.42 cw(c534.39,321.96) 530.86,325.49 538.79,333.43 602.3,396.94 602.3,610.46 636.56,644.71 698.23,644.71 705.52,637.42 706.34,637.42 714.19,629.57 714.19,610.39 v1(714.07,610.26)
CSI_D4: J1.101 U2.C11 | length 1063.5
  Top Layer w5: U2.C11@726.38,675.2 726.38,675.05 738.67,662.76 v1(738.67,662.61) ; v1@988.57,206.88 988.57,204.94 1004.34,189.16 1017.72,175.79 1017.72,102.36 J1.101@1017.72,55.98
  Int2 (Sign) w5: v1(738.67,662.61) 738.67,662.91 724.09,677.48 708.98,677.48 693.23,661.73 669.46,661.73 640.87,633.14 640.87,586.47 625.67,571.28 625.67,483.84 652.91,456.6 652.91,380.5 742.39,291.02 946.92,291.02 955.71,291.02 cw(c955.71,286.02) 958.61,281.95 958.41,281.81 ccw(c960.44,278.96) 957.6,276.93 959.34,274.48 ccw(c962.19,276.52) 964.22,273.67 978,283.51 cw(c980.04,280.66) 982.89,282.69 984.63,280.25 cw(c981.78,278.22) 983.81,275.37 972.75,267.47 ccw(c974.78,264.62) 971.93,262.59 973.68,260.15 ccw(c976.53,262.18) 978.56,259.33 979.51,260.01 cw(c982.98,255.15) 988.56,257.28 988.57,254.19 v1(988.57,204.45)
CSI_D5: J1.97 U2.C12 | length 1069.8
  Top Layer w5: U2.C12@726.38,700.79 726.51,700.65 767.21,700.65 v1(767.34,700.52) ; v1@953.19,205.86 v1@953.65,205.4 ; v1@953.65,207.24 957.06,203.84 957.06,197.85 978.35,176.56 J1.97@978.35,55.98
  Int2 (Sign) w5: v1@767.34,698.6 701.81,698.6 684.94,681.73 661.18,681.73 620.87,641.42 620.87,594.76 605.67,579.56 605.67,475.56 632.91,448.31 632.91,372.22 734.11,271.02 920.23,271.02 953.65,237.6 v1(953.65,204.45)
CSI_D6: J1.123 U2.E8 | length 1058.3
  Top Layer w5: v1(765.67,612.11) 765.67,611.21 777.56,599.32 U2.E8@777.56,598.42 ; J1.123@1234.25,55.98 1234.25,209.41 1256.2,231.36 v1(1256.2,238.93) v1@1256.2,239.53
  Int2 (Sign) w5: v1(765.67,612.11) 766.97,610.81 766.97,602.38 778.92,590.43 778.92,585.37 787.56,576.73 787.56,518.76 734.09,465.29 734.09,412.46 775.53,371.02 1024.36,371.02 1040.64,354.74 1178.2,354.74 1256.2,276.75 v1(1256.2,238.93)